# KiCad board CosmicWatch-ventidue.kicad_pcb
title: Cosmic Watch Ventidue; date: 2022-07-31; rev: 3.3
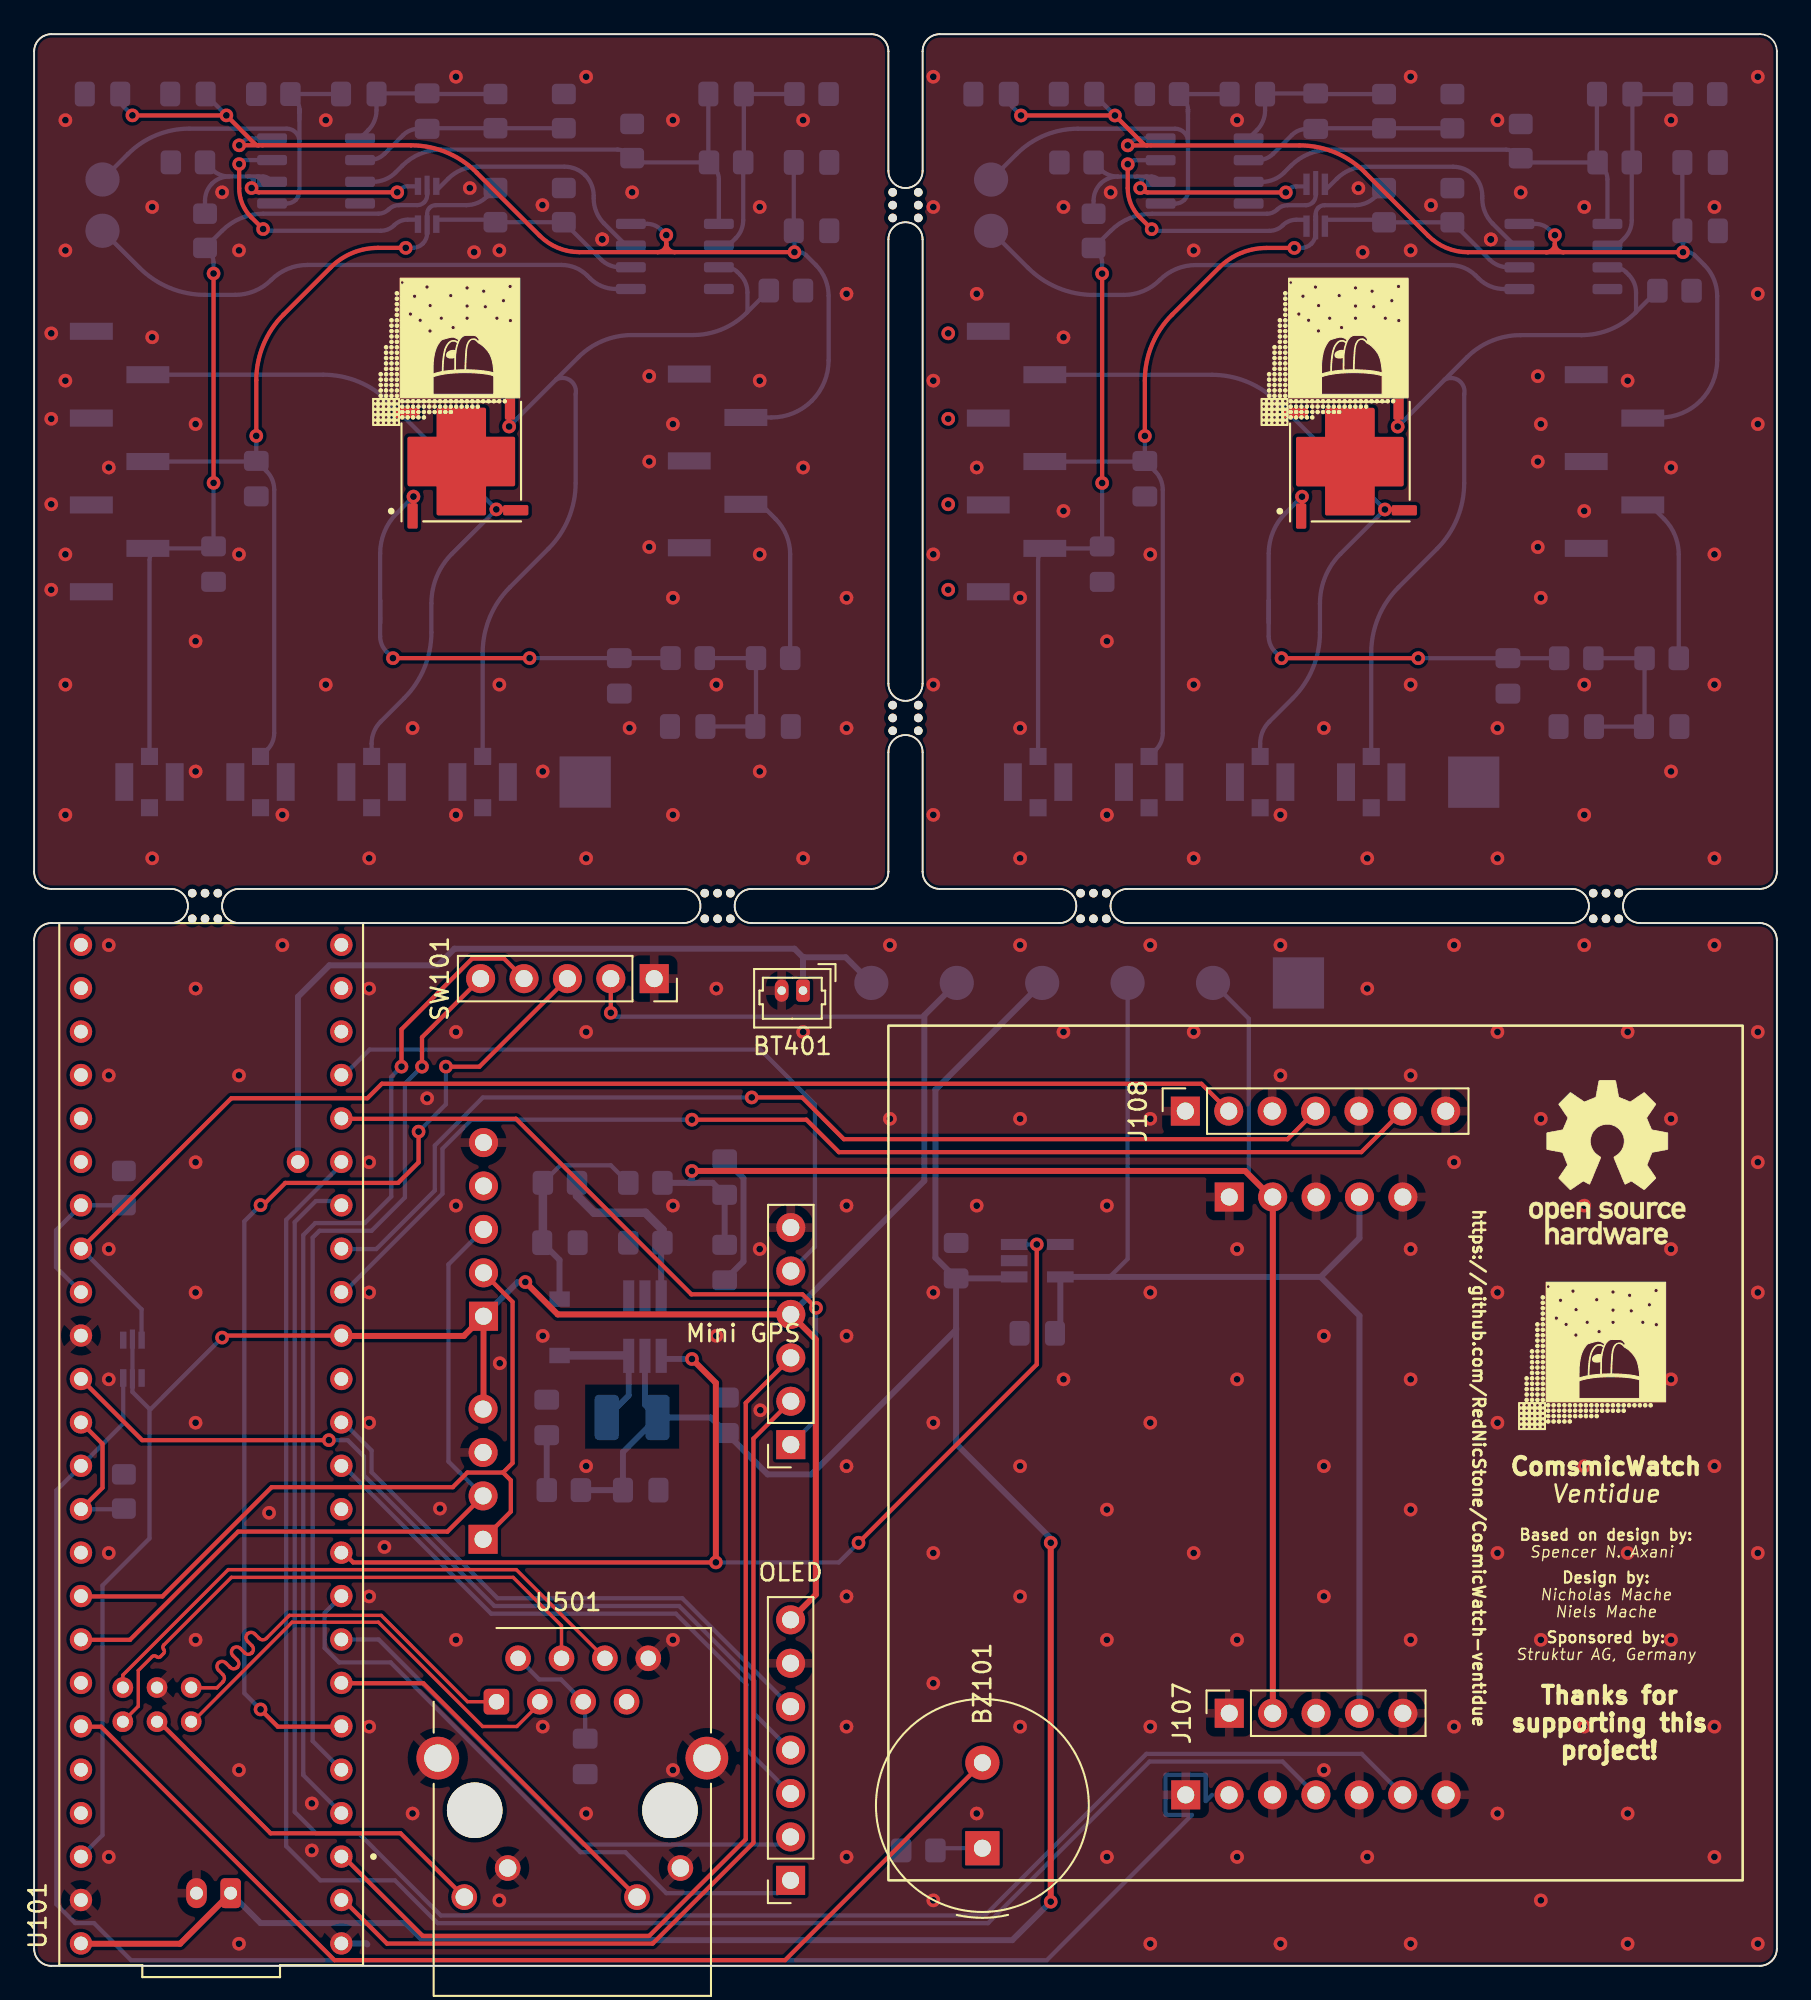
[diagram p0: board, top side]
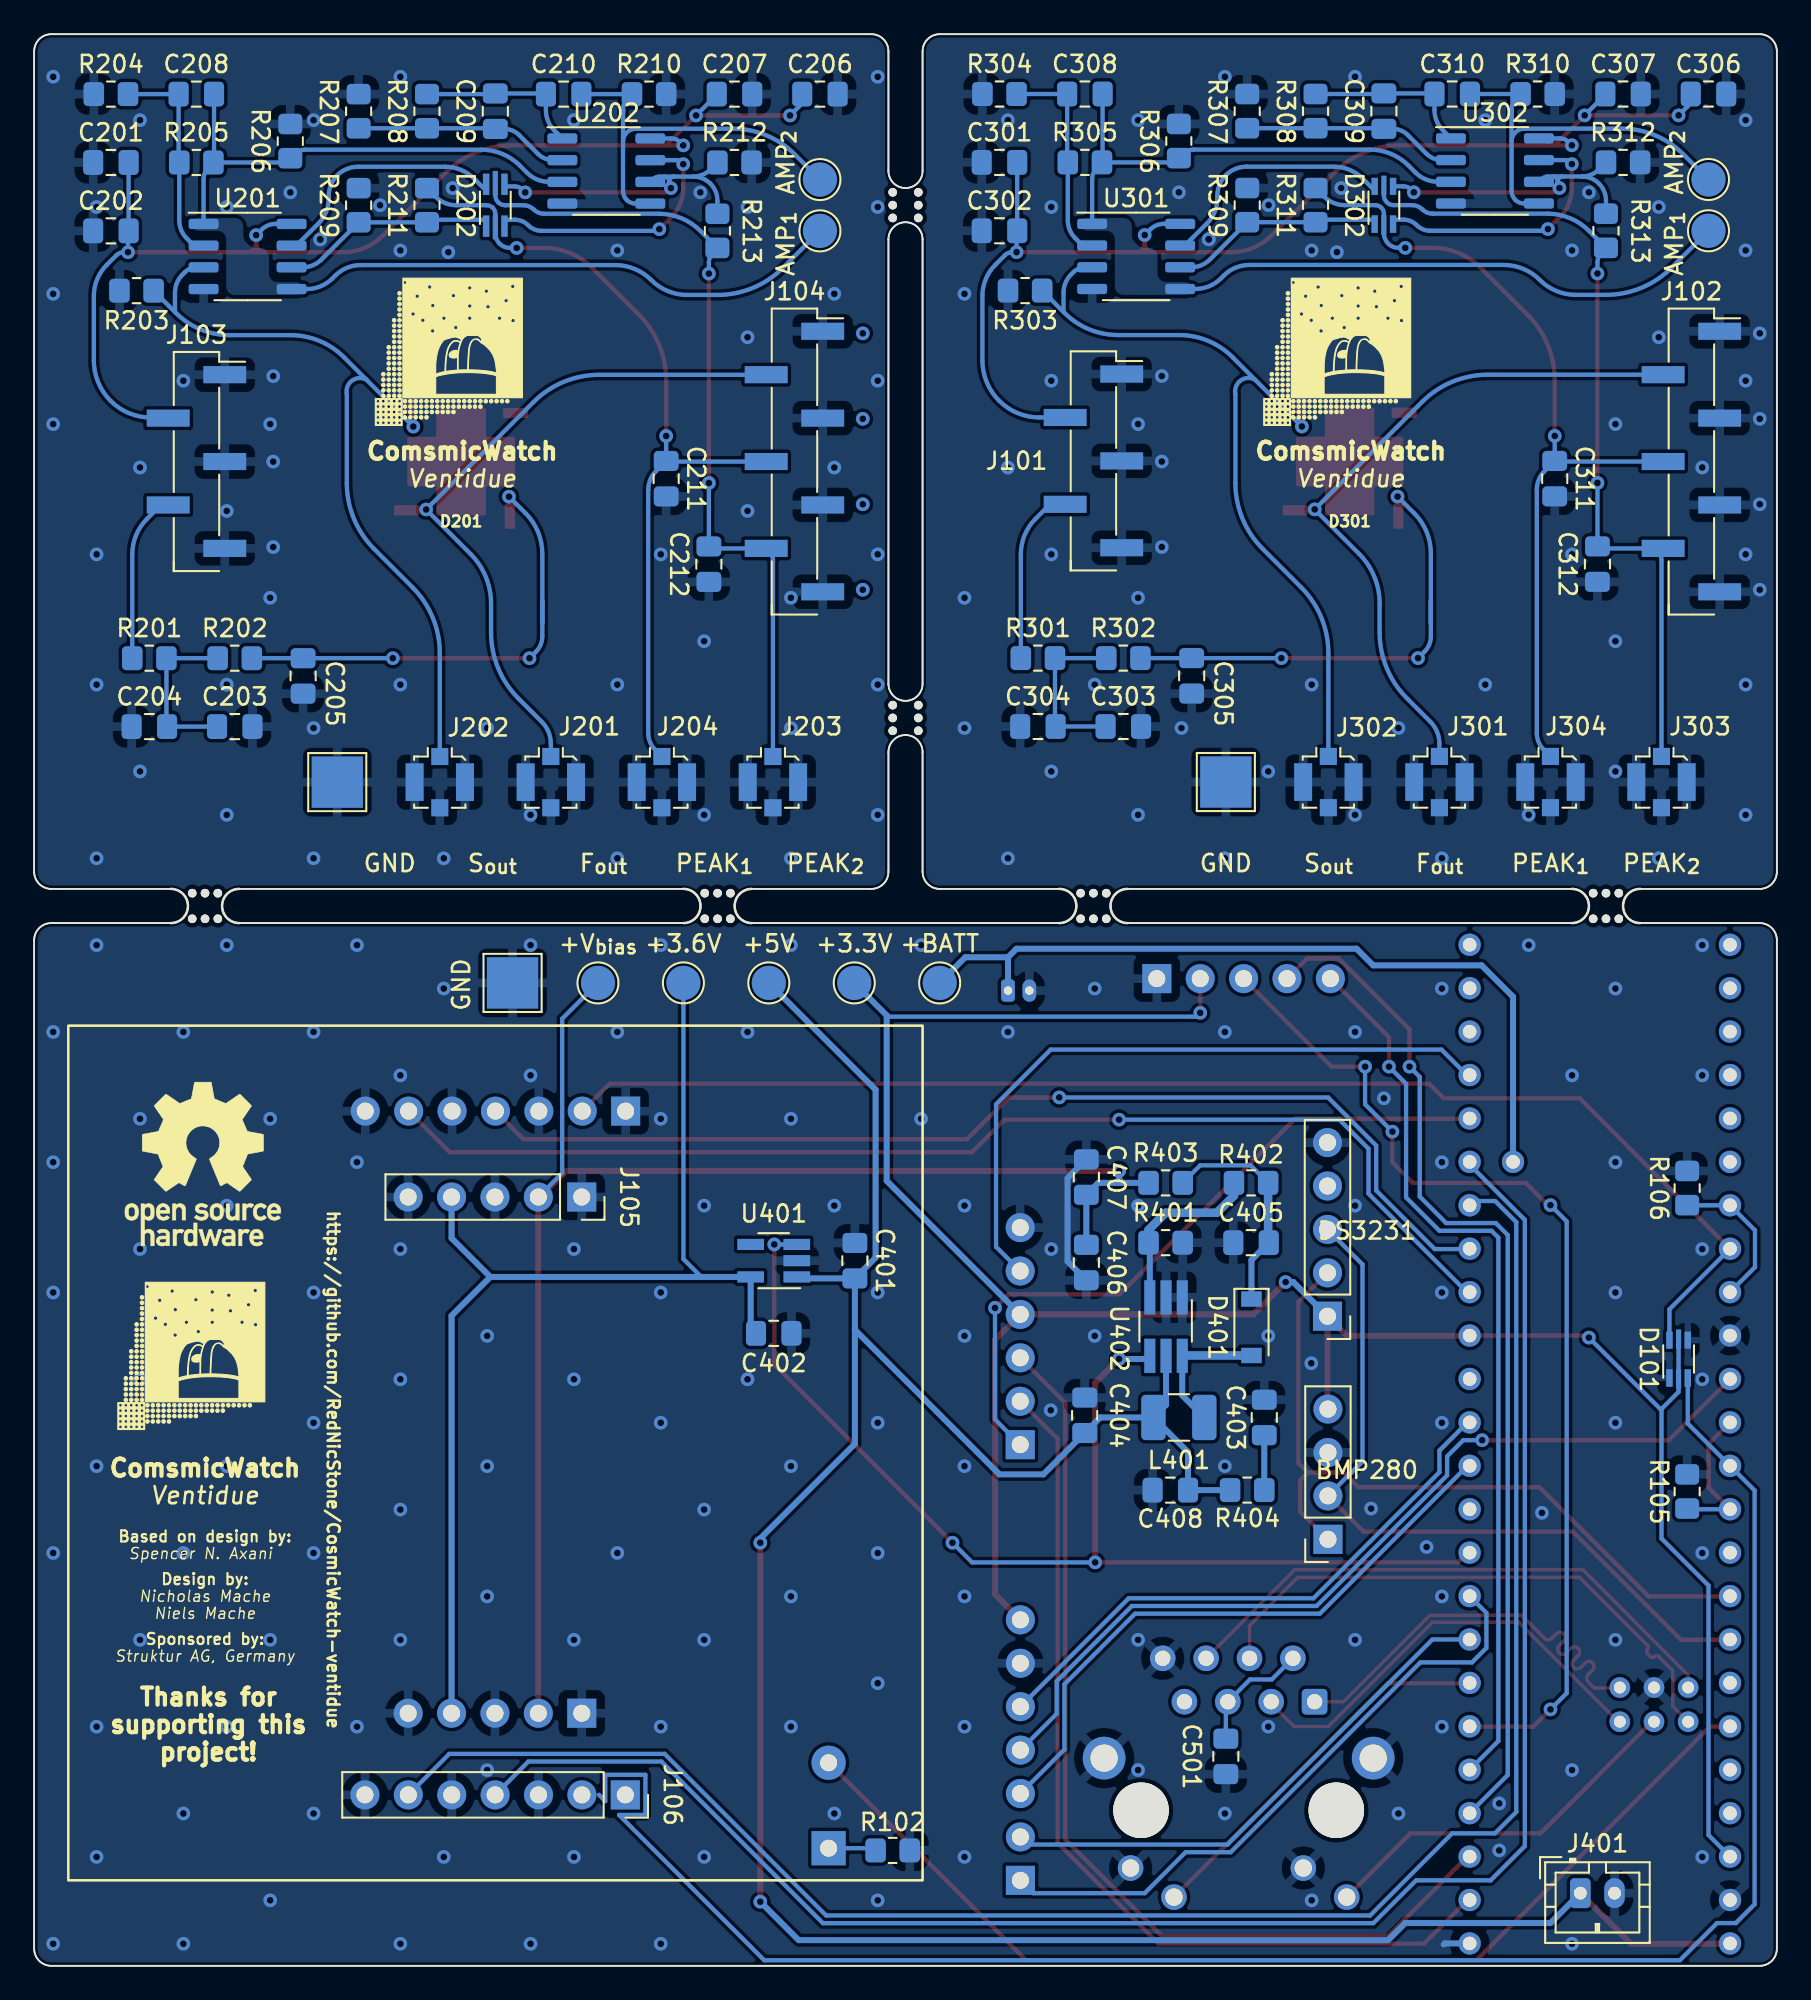
[diagram p1: board, bottom side, seen from below]

Outline 102 x 113 mm; copper layers: Top, Bottom. Coordinates in mm from the lower left corner of the outline.
Outline path: 0,112 arc(0.3,112.7) 1,113 49,113 arc(49.71,112.71) 50,112 50,105 arc(51,104) 52,105 52,112 arc(52.29,112.71) 53,113 101,113 arc(101.71,112.71) 102,112 102,64 arc(101.71,63.29) 101,63 94,63 arc(93,62) 94,61 101,61 arc(101.71,60.71) 102,60 102,1 arc(101.71,0.29) 101,0 1,0 arc(0.29,0.29) 0,1 0,60 arc(0.29,60.71) 1,61 8,61 arc(9,62) 8,63 1,63 arc(0.29,63.29) 0,64 0,112 ; 12,63 38,63 arc(39,62) 38,61 12,61 arc(11,62) 12,63 ; 42,63 49,63 arc(49.71,63.29) 50,64 50,71 arc(51,72) 52,71 52,64 arc(52.29,63.29) 53,63 60,63 arc(61,62) 60,61 42,61 arc(41,62) 42,63 ; 50,101 50,75 arc(51,74) 52,75 52,101 arc(51,102) 50,101 ; 64,63 90,63 arc(91,62) 90,61 64,61 arc(63,62) 64,63
Stack: Top 0.035mm / dielectric 1.51mm FR4 er 4.5 / Bottom 0.035mm

## Placement (name value [footprint] x y rotation side)
BT401  Battery_Cell  [Molex_PicoBlade_53047-0210_1x02_P1.25mm_Vertical]  45 57.05 180 top
BZ101  Buzzer  [Buzzer_TDK_PS1240P02BT_D12.2mm_H6.5mm]  55.5 6.88 90 top
C201  10nF  [C_0805_2012Metric_Pad1.18x1.45mm_HandSolder]  97.51 105.49 0 bottom
C202  0.1uF  [C_0805_2012Metric_Pad1.18x1.45mm_HandSolder]  97.51 101.49 0 bottom
C203  1uF  [C_0805_2012Metric_Pad1.18x1.45mm_HandSolder]  90.26 72.5 180 bottom
C204  10nF  [C_0805_2012Metric_Pad1.18x1.45mm_HandSolder]  95.26 72.5 0 bottom
C205  10nF  [C_0805_2012Metric_Pad1.18x1.45mm_HandSolder]  86.26 75.46 270 bottom
C206  0.1uF  [C_0805_2012Metric_Pad1.18x1.45mm_HandSolder]  56.01 109.5 180 bottom
C207  10nF  [C_0805_2012Metric_Pad1.18x1.45mm_HandSolder]  61.01 109.5 180 bottom
C208  13pF  [C_0805_2012Metric_Pad1.18x1.45mm_HandSolder]  92.51 109.49 180 bottom
C209  13pF  [C_0805_2012Metric_Pad1.18x1.45mm_HandSolder]  75.01 108.5 90 bottom
C210  1uF  [C_0805_2012Metric_Pad1.18x1.45mm_HandSolder]  71.01 109.5 180 bottom
C211  2nF  [C_0805_2012Metric_Pad1.18x1.45mm_HandSolder]  65.01 87 270 bottom
C212  2nF  [C_0805_2012Metric_Pad1.18x1.45mm_HandSolder]  62.51 82 270 bottom
C301  10nF  [C_0805_2012Metric_Pad1.18x1.45mm_HandSolder]  45.5 105.5 0 bottom
C302  0.1uF  [C_0805_2012Metric_Pad1.18x1.45mm_HandSolder]  45.5 101.5 0 bottom
C303  1uF  [C_0805_2012Metric_Pad1.18x1.45mm_HandSolder]  38.25 72.5 180 bottom
C304  10nF  [C_0805_2012Metric_Pad1.18x1.45mm_HandSolder]  43.25 72.5 0 bottom
C305  10nF  [C_0805_2012Metric_Pad1.18x1.45mm_HandSolder]  34.25 75.46 270 bottom
C306  0.1uF  [C_0805_2012Metric_Pad1.18x1.45mm_HandSolder]  4 109.5 180 bottom
C307  10nF  [C_0805_2012Metric_Pad1.18x1.45mm_HandSolder]  9 109.5 180 bottom
C308  13pF  [C_0805_2012Metric_Pad1.18x1.45mm_HandSolder]  40.5 109.5 180 bottom
C309  13pF  [C_0805_2012Metric_Pad1.18x1.45mm_HandSolder]  23 108.5 90 bottom
C310  1uF  [C_0805_2012Metric_Pad1.18x1.45mm_HandSolder]  19 109.5 180 bottom
C311  2nF  [C_0805_2012Metric_Pad1.18x1.45mm_HandSolder]  13 87 270 bottom
C312  2nF  [C_0805_2012Metric_Pad1.18x1.45mm_HandSolder]  10.5 82 270 bottom
C401  1uF  [C_0805_2012Metric_Pad1.18x1.45mm_HandSolder]  53.96 41.25 90 bottom
C402  1uF  [C_0805_2012Metric_Pad1.18x1.45mm_HandSolder]  58.71 37 180 bottom
C403  47uF  [C_0805_2012Metric_Pad1.18x1.45mm_HandSolder]  30 32.08 90 bottom
C404  1uF  [C_0805_2012Metric_Pad1.18x1.45mm_HandSolder]  40.52 32.2 90 bottom
C405  1uF, 50V  [C_0805_2012Metric_Pad1.18x1.45mm_HandSolder]  30.78 42.3 0 bottom
C406  1uF, 50V  [C_0805_2012Metric_Pad1.18x1.45mm_HandSolder]  40.41 41.14 270 bottom
C407  10nF, 50V  [C_0805_2012Metric_Pad1.18x1.45mm_HandSolder]  40.41 46.14 90 bottom
C408  100nF  [C_0805_2012Metric_Pad1.18x1.45mm_HandSolder]  35.5 27.83 0 bottom
C501  0.1uF  [C_0805_2012Metric_Pad1.18x1.45mm_HandSolder]  32.25 12.25 270 bottom
D101  BAS70XY  [SOT-666#2]  5.75 35.5 90 bottom
D201  SiPM_MICRORB−60035−MLP  [SiPM_MICROFC-60035-SMT-HANDSOLDER]  77.01 88 0 top
D202  BAS70XY  [SOT-666]  75.01 103 90 bottom
D301  SiPM_MICRORB−60035−MLP  [SiPM_MICROFC-60035-SMT-HANDSOLDER]  25 88 0 top
D302  BAS70XY  [SOT-666#2]  23 103 90 bottom
D401  D_Schottky  [D_SOD-123]  30.75 37.35 270 bottom
J101  Conn_01x05  [PinHeader_1x05_P2.54mm_Vertical_SMD_Pin1Right]  40 88.04 180 bottom
J102  Conn_01x07  [PinHeader_1x07_P2.54mm_Vertical_SMD_Pin1Right]  5 88 180 bottom
J103  Conn_01x05  [PinHeader_1x05_P2.54mm_Vertical_SMD_Pin1Right]  92.5 88 180 bottom
J104  Conn_01x07  [PinHeader_1x07_P2.54mm_Vertical_SMD_Pin1Right]  57.5 88 180 bottom
J105  Conn_01x05  [PinSocket_1x05_P2.54mm_Vertical]  69.95 44.97 270 bottom
J106  Conn_01x07  [PinSocket_1x07_P2.54mm_Vertical]  67.4 10 270 bottom
J107  Conn_01x05  [PinSocket_1x05_P2.54mm_Vertical]  69.95 14.78 90 top
J108  Conn_01x07  [PinSocket_1x07_P2.54mm_Vertical]  67.38 50 90 top
J109  BMP280  [PinSocket_1x04_P2.54mm_Vertical]  26.28 24.95 0 bottom
J110  Mini GPS  [PinSocket_1x06_P2.54mm_Vertical]  44.29 30.49 180 top
J111  OLED  [PinSocket_1x07_P2.54mm_Vertical]  44.28 5 180 top
J112  DS3231  [PinHeader_1x05_P2.54mm_Vertical]  26.3 38 0 bottom
J201  Conn_SMA  [U.FL_Molex_MCRF_73412-0110_Vertical]  71.76 69.25 0 bottom
J202  Conn_SMA  [U.FL_Molex_MCRF_73412-0110_Vertical]  78.26 69.25 0 bottom
J203  Conn_SMA  [U.FL_Molex_MCRF_73412-0110_Vertical]  58.76 69.25 0 bottom
J204  Conn_SMA  [U.FL_Molex_MCRF_73412-0110_Vertical]  65.26 69.25 0 bottom
J301  Conn_SMA  [U.FL_Molex_MCRF_73412-0110_Vertical]  19.75 69.25 0 bottom
J302  Conn_SMA  [U.FL_Molex_MCRF_73412-0110_Vertical]  26.25 69.25 0 bottom
J303  Conn_SMA  [U.FL_Molex_MCRF_73412-0110_Vertical]  6.75 69.25 0 bottom
J304  Conn_SMA  [U.FL_Molex_MCRF_73412-0110_Vertical]  13.25 69.25 0 bottom
J401  Conn_01x02  [JST_PH_B2B-PH-K_1x02_P2.00mm_Vertical]  11.5 4.25 180 bottom
L401  47uH  [L_1210_3225Metric_Pad1.42x2.65mm_HandSolder]  35 32.08 180 bottom
mouse-bite-2mm-slot  VAL**  [mouse-bite-2mm-slot]  92 62 180 top
mouse-bite-2mm-slot#2  VAL**  [mouse-bite-2mm-slot]  10 62 180 top
mouse-bite-2mm-slot#3  VAL**  [mouse-bite-2mm-slot]  51 103 90 top
mouse-bite-2mm-slot#4  VAL**  [mouse-bite-2mm-slot]  62 62 180 top
mouse-bite-2mm-slot#5  VAL**  [mouse-bite-2mm-slot]  51 73 90 top
mouse-bite-2mm-slot#6  VAL**  [mouse-bite-2mm-slot]  40 62 180 top
R102  1k  [R_0805_2012Metric_Pad1.20x1.40mm_HandSolder]  51.75 6.75 180 bottom
R105  10k  [R_0805_2012Metric_Pad1.20x1.40mm_HandSolder]  5.25 27.75 90 bottom
R106  10k  [R_0805_2012Metric_Pad1.20x1.40mm_HandSolder]  5.25 45.5 90 bottom
R201  50  [R_0805_2012Metric_Pad1.20x1.40mm_HandSolder]  95.26 76.5 180 bottom
R202  50  [R_0805_2012Metric_Pad1.20x1.40mm_HandSolder]  90.26 76.5 180 bottom
R203  10  [R_0805_2012Metric_Pad1.20x1.40mm_HandSolder]  96.01 97.99 0 bottom
R204  150  [R_0805_2012Metric_Pad1.20x1.40mm_HandSolder]  97.51 109.49 0 bottom
R205  2.32k  [R_0805_2012Metric_Pad1.20x1.40mm_HandSolder]  92.51 105.49 180 bottom
R206  10k  [R_0805_2012Metric_Pad1.20x1.40mm_HandSolder]  87.01 106.75 90 bottom
R207  150  [R_0805_2012Metric_Pad1.20x1.40mm_HandSolder]  83.01 108.5 90 bottom
R208  1k  [R_0805_2012Metric_Pad1.20x1.40mm_HandSolder]  79.01 108.5 90 bottom
R209  100k  [R_0805_2012Metric_Pad1.20x1.40mm_HandSolder]  83.01 103 90 bottom
R210  10k  [R_0805_2012Metric_Pad1.20x1.40mm_HandSolder]  66.01 109.5 180 bottom
R211  100k  [R_0805_2012Metric_Pad1.20x1.40mm_HandSolder]  79.01 103 90 bottom
R212  100k  [R_0805_2012Metric_Pad1.20x1.40mm_HandSolder]  61.01 105.5 180 bottom
R213  100k  [R_0805_2012Metric_Pad1.20x1.40mm_HandSolder]  62.01 101.5 270 bottom
R301  50  [R_0805_2012Metric_Pad1.20x1.40mm_HandSolder]  43.25 76.5 180 bottom
R302  50  [R_0805_2012Metric_Pad1.20x1.40mm_HandSolder]  38.25 76.5 180 bottom
R303  10  [R_0805_2012Metric_Pad1.20x1.40mm_HandSolder]  44 98 0 bottom
R304  150  [R_0805_2012Metric_Pad1.20x1.40mm_HandSolder]  45.5 109.5 0 bottom
R305  2.32k  [R_0805_2012Metric_Pad1.20x1.40mm_HandSolder]  40.5 105.5 180 bottom
R306  10k  [R_0805_2012Metric_Pad1.20x1.40mm_HandSolder]  35 106.75 90 bottom
R307  150  [R_0805_2012Metric_Pad1.20x1.40mm_HandSolder]  31 108.5 90 bottom
R308  1k  [R_0805_2012Metric_Pad1.20x1.40mm_HandSolder]  27 108.5 90 bottom
R309  100k  [R_0805_2012Metric_Pad1.20x1.40mm_HandSolder]  31 103 90 bottom
R310  10k  [R_0805_2012Metric_Pad1.20x1.40mm_HandSolder]  14 109.5 180 bottom
R311  100k  [R_0805_2012Metric_Pad1.20x1.40mm_HandSolder]  27 103 90 bottom
R312  100k  [R_0805_2012Metric_Pad1.20x1.40mm_HandSolder]  9 105.5 180 bottom
R313  100k  [R_0805_2012Metric_Pad1.20x1.40mm_HandSolder]  10 101.5 270 bottom
R401  6.8k  [R_0805_2012Metric_Pad1.20x1.40mm_HandSolder]  35.78 42.3 0 bottom
R402  150k  [R_0805_2012Metric_Pad1.20x1.40mm_HandSolder]  30.78 45.8 180 bottom
R403  100  [R_0805_2012Metric_Pad1.20x1.40mm_HandSolder]  35.78 45.8 0 bottom
R404  3.3k  [R_0805_2012Metric_Pad1.20x1.40mm_HandSolder]  31 27.83 0 bottom
SW101  Digital_Rotary_Encoder_Switch  [PinSocket_1x05_P2.54mm_Vertical]  36.29 57.75 270 top
TP201  AMP_{1}  [TestPoint_Pad_D2.0mm]  56.01 101.5 180 bottom
TP202  AMP_{2}  [TestPoint_Pad_D2.0mm]  56.01 104.5 180 bottom
TP203  GND  [TestPoint_Pad_3.0x3.0mm]  84.26 69.25 180 bottom
TP301  AMP_{1}  [TestPoint_Pad_D2.0mm]  4 101.5 180 bottom
TP302  AMP_{2}  [TestPoint_Pad_D2.0mm]  4 104.5 180 bottom
TP303  GND  [TestPoint_Pad_3.0x3.0mm]  32.25 69.25 180 bottom
TP401  TestPoint  [TestPoint_Pad_3.0x3.0mm]  74 57.5 270 bottom
TP402  TestPoint  [TestPoint_Pad_D2.0mm]  64 57.5 270 bottom
TP403  TestPoint  [TestPoint_Pad_D2.0mm]  54 57.5 270 bottom
TP404  TestPoint  [TestPoint_Pad_D2.0mm]  49 57.5 270 bottom
TP405  TestPoint  [TestPoint_Pad_D2.0mm]  69 57.5 270 bottom
TP406  TestPoint  [TestPoint_Pad_D2.0mm]  59 57.5 270 bottom
U101  Teensy4.1  [Teensy4.1_Minimal]  10.5 30.25 90 top
U201  LT1807  [SO-8_3.9x4.9mm_P1.27mm]  89.51 99.99 180 bottom
U202  LT1807  [SO-8_3.9x4.9mm_P1.27mm]  68.51 105 180 bottom
U301  LT1807  [SO-8_3.9x4.9mm_P1.27mm]  37.5 100 180 bottom
U302  LT1807  [SO-8_3.9x4.9mm_P1.27mm]  16.5 105 180 bottom
U401  TCR2EF  [SOT-23-5_HandSoldering]  58.71 41.25 0 bottom
U402  MAX5026  [TSOT-23-6_HandSoldering]  35.75 37.39 270 bottom
U501  J1B12111CCD  [RJ45_Cetus_J1B1211CCD_Horizontal]  27.06 15.45 0 top

## Library data of the parts
BT401 = -: LCSC: C518987
BZ101 = -: LCSC: C76871
C201 C204 C205 C207 C301 C304 C305 C307 = -: LCSC: C24666
C202 C206 C302 C306 C501 = -: LCSC: C89258
C203 C210 C303 C310 C401-C404 C408 = -: LCSC: C89190
C208 C209 C308 C309 = -: LCSC: C501858
C211 C212 C311 C312 = -: LCSC: C51574
C405 C406 = -: LCSC: C111768
C407 = -: LCSC: C83170
D101 D202 D302 = -: LCSC: C73592
D201 D301 = -: LCSC: C905854
D401 = -: LCSC: C1884550
J201-J204 J301-J304 = -: LCSC: C88374
J401 = -: LCSC: C225240
L401 = -: LCSC: C113070
R102 R208 R308 = -: LCSC: C17513
R105 R106 R206 R210 R306 R310 = -: LCSC: C17414
R201 R202 R301 R302 = -: LCSC: C2828807
R203 R303 = -: LCSC: C96347
R204 R207 R304 R307 = -: LCSC: C17471
R205 R305 = -: LCSC: C17522
R209 R211-R213 R309 R311-R313 = -: LCSC: C149504
R401 R404 = -: LCSC: C17770
R402 = -: LCSC: C17462
R403 = -: LCSC: C17408
U101 = -: MANUFACTURER: SparkFun Electronics; MAXIMUM_PACKAGE_HEIGHT: 4.07mm; PARTREV: 4.1; STANDARD: Manufacturer recommendations
U201 U202 U301 U302 = -: LCSC: C665379
U402 = -: LCSC: C87603

## Footprints (pads in the part's own frame, mm; a bottom-side part is the same pattern mirrored in y, then rotated)
Buzzer_TDK_PS1240P02BT_D12.2mm_H6.5mm
  rect 2x2 hole 1: 1(0,0)
  round 2 hole 1: 2(5,0)
C_0805_2012Metric_Pad1.18x1.45mm_HandSolder
  rrect 1.175x1.45 smd: 1(-1.038,0) 2(1.038,0)
D_SOD-123
  rect 0.9x1.2 smd: 1(-1.65,0) 2(1.65,0)
JST_PH_B2B-PH-K_1x02_P2.00mm_Vertical
  rrect 1.2x1.75 hole 0.75: 1(0,0)
  oval 1.2x1.75 hole 0.75: 2(2,0)
L_1210_3225Metric_Pad1.42x2.65mm_HandSolder
  rrect 1.425x2.65 smd: 1(-1.488,0) 2(1.488,0)
Molex_PicoBlade_53047-0210_1x02_P1.25mm_Vertical
  rrect 0.8x1.3 hole 0.5: 1(0,0)
  oval 0.8x1.3 hole 0.5: 2(1.25,0)
mouse-bite-2mm-slot
  round 0.5 hole 0.5 unplated: (-0.75,0.75) (-0.75,-0.75) (0,0.75) (0,-0.75) (0.75,0.75) (0.75,-0.75)
PinHeader_1x05_P2.54mm_Vertical
  rect 1.7x1.7 hole 1: 1(0,0)
  oval 1.7x1.7 hole 1: 2(0,-2.54) 3(0,-5.08) 4(0,-7.62) 5(0,-10.16)
PinHeader_1x05_P2.54mm_Vertical_SMD_Pin1Right
  rect 2.51x1 smd: 1(1.655,5.08) 2(-1.655,2.54) 3(1.655,0) 4(-1.655,-2.54) 5(1.655,-5.08)
PinHeader_1x07_P2.54mm_Vertical_SMD_Pin1Right
  rect 2.51x1 smd: 1(1.655,7.62) 2(-1.655,5.08) 3(1.655,2.54) 4(-1.655,0) 5(1.655,-2.54) 6(-1.655,-5.08) 7(1.655,-7.62)
PinSocket_1x04_P2.54mm_Vertical
  rect 1.7x1.7 hole 1: 1(0,0)
  oval 1.7x1.7 hole 1: 2(0,-2.54) 3(0,-5.08) 4(0,-7.62)
PinSocket_1x05_P2.54mm_Vertical
  rect 1.7x1.7 hole 1: 1(0,0)
  oval 1.7x1.7 hole 1: 2(0,-2.54) 3(0,-5.08) 4(0,-7.62) 5(0,-10.16)
PinSocket_1x06_P2.54mm_Vertical
  rect 1.7x1.7 hole 1: 1(0,0)
  oval 1.7x1.7 hole 1: 2(0,-2.54) 3(0,-5.08) 4(0,-7.62) 5(0,-10.16) 6(0,-12.7)
PinSocket_1x07_P2.54mm_Vertical
  rect 1.7x1.7 hole 1: 1(0,0)
  oval 1.7x1.7 hole 1: 2(0,-2.54) 3(0,-5.08) 4(0,-7.62) 5(0,-10.16) 6(0,-12.7) 7(0,-15.24)
R_0805_2012Metric_Pad1.20x1.40mm_HandSolder
  rrect 1.2x1.4 smd: 1(-1,0) 2(1,0)
RJ45_Cetus_J1B1211CCD_Horizontal
  round 3.25 hole 3.25 unplated: (-1.27,-6.35) (10.16,-6.35)
  rrect 1.5x1.5 hole 0.9: 1(0,0)
  round 1.5 hole 0.9: 2(1.27,2.54) 3(2.54,0) 4(3.81,2.54) 5(5.08,0) 6(6.35,2.54) 7(7.62,0) 8(8.89,2.54)
  round 1.5 hole 1.02: 9(-1.88,-11.43) 10(0.66,-9.73) 11(8.23,-11.43) 12(10.77,-9.73)
  round 2.5 hole 1.6: 13(-3.43,-3.3) 13(12.32,-3.3)
SiPM_MICROFC-60035-SMT-HANDSOLDER
  rrect 0.6x1.475 smd: 1(-2.85,-3.188) 3(2.85,3.188)
  rrect 1.475x0.6 smd: 2(3.188,-2.85) 4(-3.188,2.85)
  custom 6.3x6.3 smd: MP(0,0)
SO-8_3.9x4.9mm_P1.27mm
  rrect 1.75x0.6 smd: 1(-2.575,1.905) 2(-2.575,0.635) 3(-2.575,-0.635) 4(-2.575,-1.905) 5(2.575,-1.905) 6(2.575,-0.635) 7(2.575,0.635) 8(2.575,1.905)
SOT-23-5_HandSoldering
  rect 1.56x0.65 smd: 1(-1.35,0.95) 2(-1.35,0) 3(-1.35,-0.95) 4(1.35,-0.95) 5(1.35,0.95)
SOT-666
  rect 1.25x0.375 smd: 1(-1.225,0.537) 3(-1.225,-0.537) 4(1.225,-0.537) 6(1.225,0.537)
  rect 1.4x0.3 smd: 2(-1.3,0) 5(1.3,0)
SOT-666#2
  rect 1.025x0.375 smd: 1(-1.113,0.537) 3(-1.113,-0.537)
  rect 1.125x0.3 smd: 2(-1.163,0) 5(1.163,0)
  rect 1x0.375 smd: 4(1.1,-0.537) 6(1.1,0.537)
Teensy4.1_Minimal
  round 1.308 hole 0.8: 0(-26.4,-7.48) 1(-23.86,-7.48) 2(-21.32,-7.48) 3(-18.78,-7.48) 3.3V_1(6.62,-7.48) 3.3V_2(-23.86,7.76) 4(-16.24,-7.48) 5(-13.7,-7.48) 6(-11.16,-7.48) 7(-8.62,-7.48) 8(-6.08,-7.48) 9(-3.54,-7.48) 10(-1,-7.48) 11(1.54,-7.48) 12(4.08,-7.48) 13(4.08,7.76) 14(1.54,7.76) 15(-1,7.76) 16(-3.54,7.76) 17(-6.08,7.76) 18(-8.62,7.76) 19(-11.16,7.76) 20(-13.7,7.76) 21(-16.24,7.76) 22(-18.78,7.76) 23(-21.32,7.76) 24(9.16,-7.48) 25(11.7,-7.48) 26(14.24,-7.48) 27(16.78,-7.48) 28(19.32,-7.48) 29(21.86,-7.48) 30(24.4,-7.48) 31(26.94,-7.48) 32(29.48,-7.48) 33(29.48,7.76) 34(26.94,7.76) 35(24.4,7.76) 36(21.86,7.76) 37(19.32,7.76) 38(16.78,7.76) 39(14.24,7.76) 40(11.7,7.76) 41(9.16,7.76) GND1(-28.94,-7.48) GND2(6.62,7.76) GND3(-26.4,7.76) VBAT(16.78,-4.94) VIN(-28.94,7.76)
  round 1.208 hole 0.7: GND5(-13.97,3.31) LED(-15.97,3.31) R+(-15.97,5.31) R-(-13.97,5.31) T+(-13.97,1.31) T-(-15.97,1.31)
TestPoint_Pad_3.0x3.0mm
  rect 3x3 smd: 1(0,0)
TestPoint_Pad_D2.0mm
  round 2 smd: 1(0,0)
TSOT-23-6_HandSoldering
  rect 2x0.65 smd: 1(-1.71,0.95) 2(-1.71,0) 3(-1.71,-0.95) 4(1.71,-0.95) 5(1.71,0) 6(1.71,0.95)
U.FL_Molex_MCRF_73412-0110_Vertical
  rect 1x1 smd: 1(0,-1.5) 2(0,1.5)
  rect 1.05x2.2 smd: 2(-1.475,0) 2(1.475,0)
